# Altium PCB XTIDA-010086.PcbDoc (part 9 of 17)
Units mm, origin at the board's own origin, x right, y up, seen from the top; angles counter-clockwise.
Board outline 375 x 210 mm, 6 copper layers (Top Layer, GND Layer, Signal Layer 1, Signal Layer 2, Power Layer, Bottom Layer), stack 1.575 mm thick; 1884 components, 1036 nets, 4948 pads, 6791 vias.
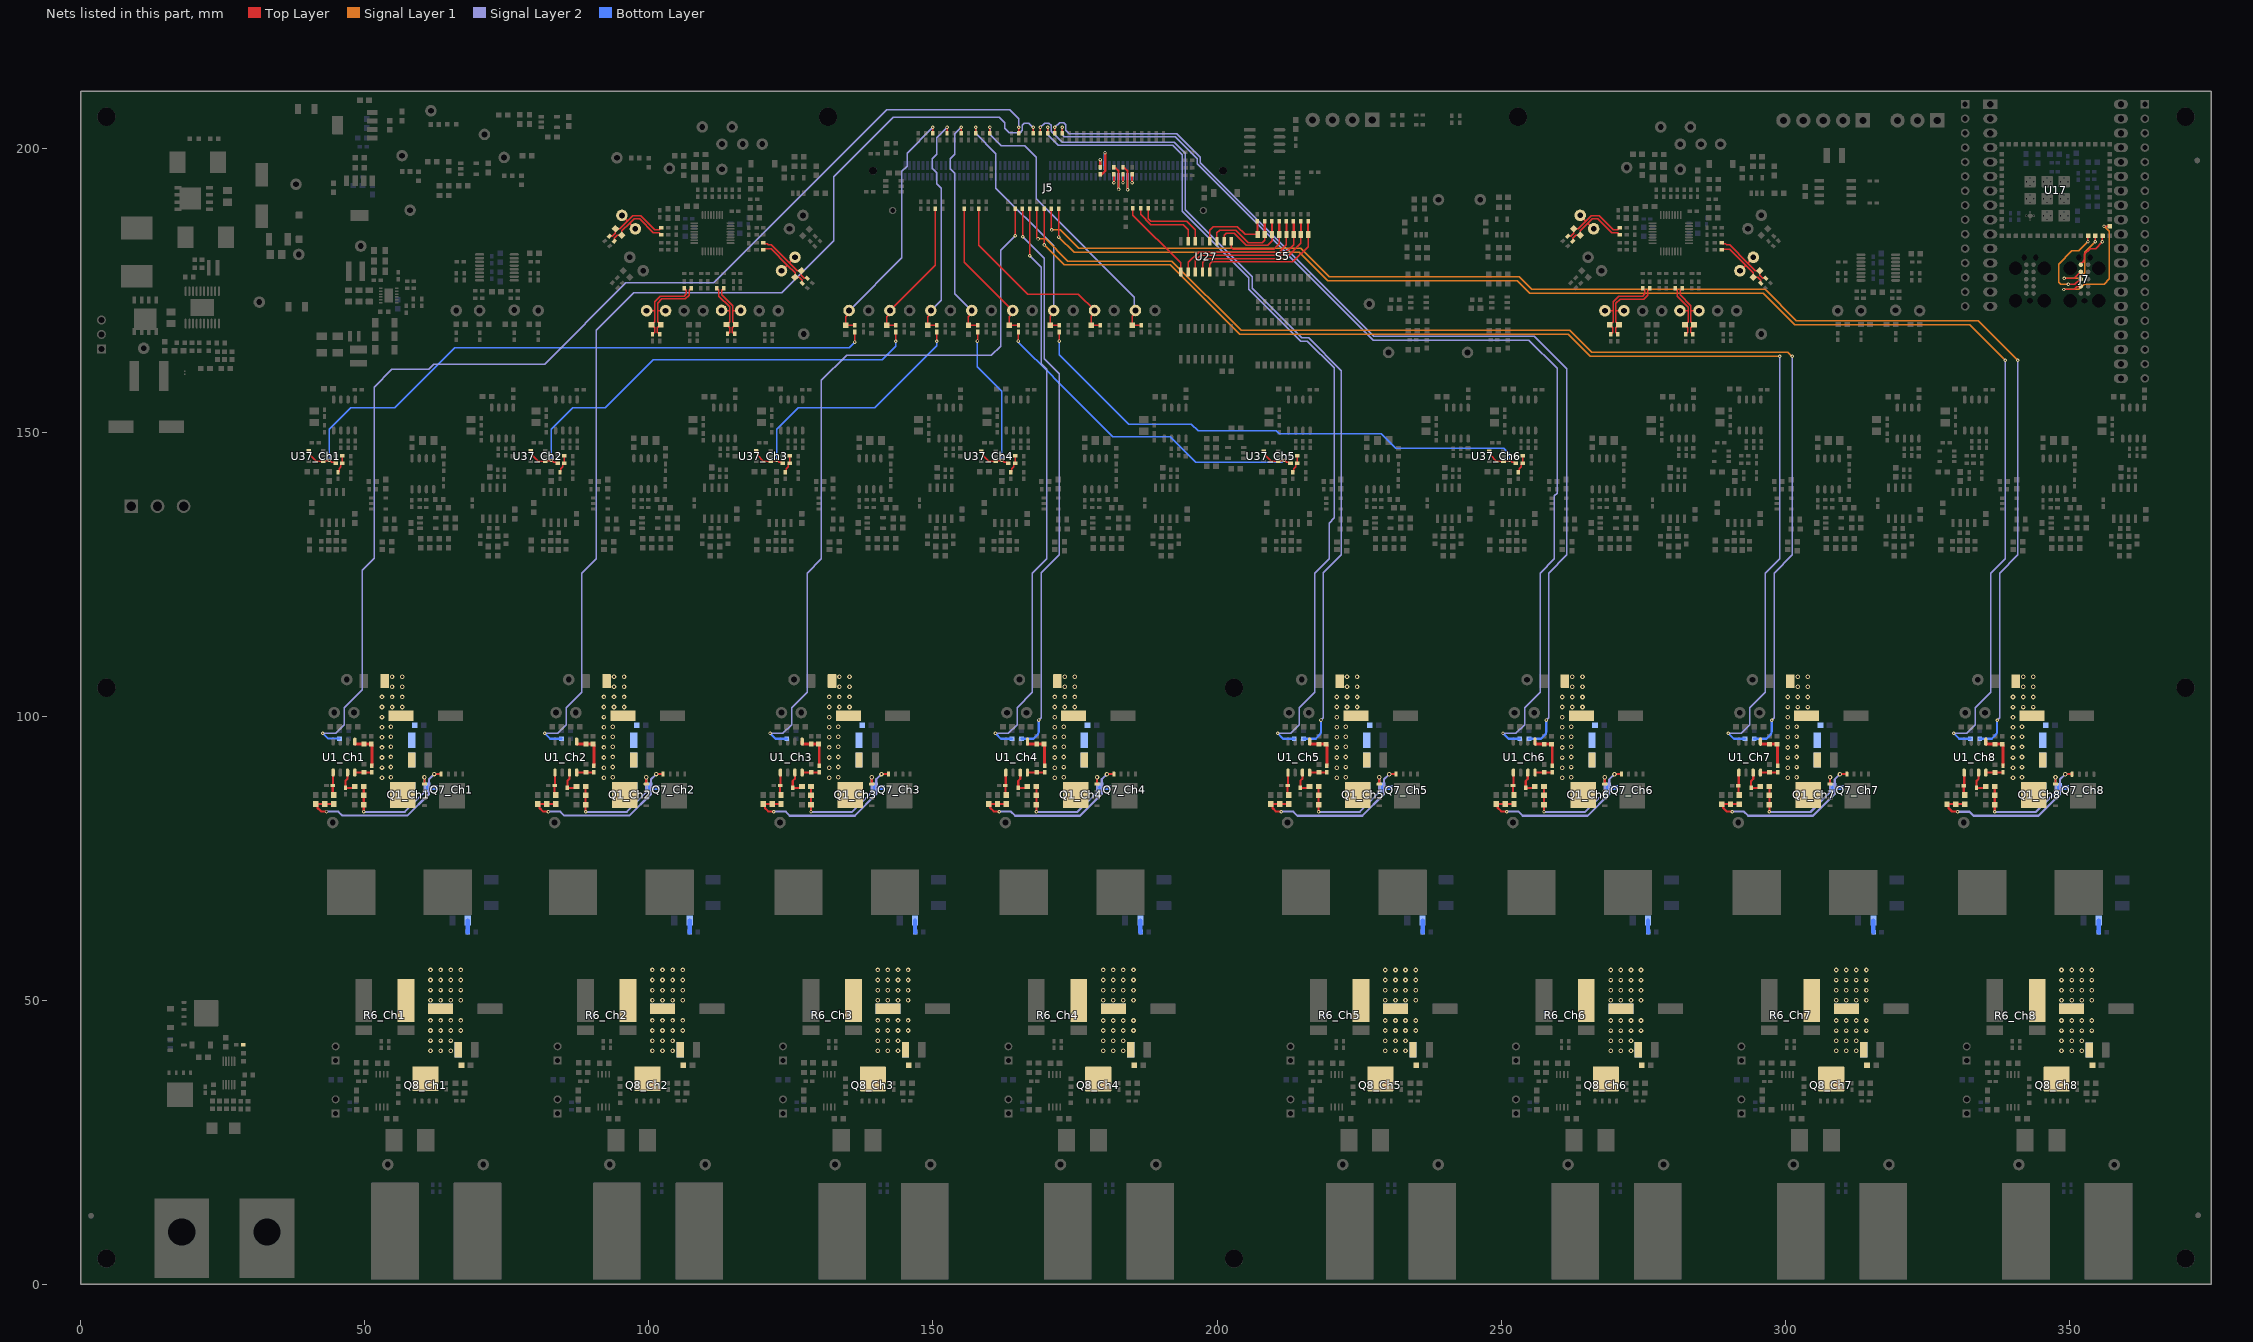
[diagram p13: the nets of this part, all layers, seen from the top]

## Via types
v1: diameter 0.813, hole 0.4, Top Layer to Bottom Layer, tented both sides, 4738 vias
v2: diameter 0.61, hole 0.3, Top Layer to Bottom Layer, tented both sides, 1254 vias
v3: diameter 0.813, hole 0.406, Top Layer to Bottom Layer, 728 vias
v4: diameter 0.5, hole 0.2, Top Layer to Bottom Layer, 40 vias
v5: diameter 5.45, hole 3.556, Top Layer to Bottom Layer, 16 vias
v6: diameter 5/3.65/3.65/3.65/3.65/5 (per signal layer), hole 3.2, Top Layer to Bottom Layer, 12 vias
v7: diameter 0.813, hole 0.4, Top Layer to Bottom Layer, 3 vias

## Nets (pads, with @x,y where several pads share a name; then routed paths per layer and width w, separated by ;. In a path a pad name is that pad's centre, name@x,y a point inside that pad or via, vN(x,y) a via of type N, cw(c..) or ccw(c..) an arc to the next point about the centre after c; other vN are vias at no path point) (continued)
EPWM_A4: R2_Ch4.2 R266.1 | length 100
  Top Layer w0.254: R266.1@165.73,189.322 165.795,189.257 v2(165.795,184.369)
  Signal Layer 2 w0.254: v2(165.795,184.369) 169.596,180.569 169.596,162.916 172.237,160.274 172.237,128.366 169.062,125.191 169.062,99.74 v2(168.621,99.298)
  Bottom Layer w0.381: R2_Ch4.2@165.56,96.02 167.694,96.02 168.341,96.667 ccw(c167.668,97.341) 168.621,97.341 v2(168.621,99.298)
EPWM_A5: R2_Ch5.2 R269.1 | length 148.7
  Top Layer w0.254: R269.1@168.915,202.606 168.918,202.609 v2(168.918,203.635)
  Signal Layer 2 w0.254: v2(168.918,203.635) 169.676,204.394 170.409,204.394 170.836,203.966 170.836,202.985 172.781,201.041 192.433,201.041 194.412,199.063 194.412,189.13 206.172,177.37 206.172,175.339 214.938,166.573 216.157,166.573 221.912,160.818 221.912,157.853 221.912,128.364 218.737,125.189 218.737,99.738 v2(218.295,99.296)
  Bottom Layer w0.381: R2_Ch5.2@215.235,96.018 217.369,96.018 218.016,96.665 ccw(c217.343,97.339) 218.295,97.339 v2(218.295,99.296)
EPWM_A6: R2_Ch6.2 R273.1 | length 179.6
  Top Layer w0.254: R273.1@171.463,202.606 v2(171.463,203.633)
  Signal Layer 2 w0.254: v2(171.463,203.633) 172.275,204.445 172.983,204.445 173.355,204.073 173.355,203.124 173.99,202.489 192.907,202.489 197.028,198.368 197.028,197.418 227.576,166.87 255.862,166.87 261.587,161.145 261.587,128.362 258.412,125.187 258.412,99.736 v2(257.97,99.294)
  Bottom Layer w0.381: R2_Ch6.2@254.91,96.016 257.044,96.016 257.691,96.663 ccw(c257.018,97.337) 257.97,97.337 v2(257.97,99.294)
EPWM_A7: R2_Ch7.2 R293.2 | length 218
  Top Layer w0.254: R293.2@168.282,189.322 168.282,184.315 168.504,184.094 v2(168.504,183.998)
  Signal Layer 1 w0.254: v2(168.504,183.998) 169.824,183.998 173.75,180.072 192.063,180.072 204.247,167.888 262.083,167.888 265.956,164.015 300.509,164.015 301.176,163.347 v2(301.262,163.347)
  Signal Layer 2 w0.254: v2(297.645,99.292) 298.087,99.734 298.087,125.185 301.262,128.36 v2(301.262,163.347)
  Bottom Layer w0.381: R2_Ch7.2@294.584,96.014 296.719,96.014 297.366,96.661 ccw(c296.693,97.335) 297.645,97.335 v2(297.645,99.292)
EPWM_A8: R2_Ch8.2 R295.2 | length 253.9
  Top Layer w0.254: R295.2@170.835,189.322 170.835,185.629 v2(170.891,185.572)
  Signal Layer 1 w0.254: v2(170.891,185.572) 172.43,185.572 175.656,182.347 214.747,182.347 219.776,177.317 253.177,177.317 255.387,175.108 296.484,175.108 301.97,169.621 333.977,169.621 v2(340.937,162.662)
  Signal Layer 2 w0.254: v2(337.32,99.29) 337.762,99.732 337.762,125.183 340.937,128.358 v2(340.937,162.662)
  Bottom Layer w0.381: R2_Ch8.2@334.259,96.012 336.393,96.012 337.04,96.659 ccw(c336.367,97.333) 337.32,97.333 v2(337.32,99.29)
EPWM_B1: R3_Ch1.2 R263.1 | length 206.2
  Top Layer w0.254: R263.1@165.093,202.606 v2(165.093,203.633)
  Signal Layer 2 w0.254: v2(42.577,96.986) 44.859,96.986 46.38,98.507 46.38,101.498 49.538,104.656 49.538,125.656 51.638,127.757 51.638,157.912 54.762,161.036 61.239,161.036 62.154,161.95 81.627,161.95 95.927,176.251 111.421,176.251 141.901,206.731 163.474,206.731 165.093,205.112 v2(165.093,203.633)
  Bottom Layer w0.381: v2(42.577,96.986) 43.537,96.026 R3_Ch1.2@45.52,96.026
EPWM_B2: R3_Ch2.2 R267.1 | length 182.6
  Top Layer w0.254: R267.1@167.641,202.606 v2(167.641,203.633)
  Signal Layer 2 w0.254: v2(81.643,96.984) 83.924,96.984 85.446,98.505 85.446,101.496 88.163,104.214 88.163,125.171 90.703,127.711 90.703,159.547 90.703,167.898 97.285,174.48 123.345,174.48 132.53,183.664 132.53,194.967 142.998,205.435 161.659,205.435 162.65,204.445 162.65,203.516 163.449,202.717 165.356,202.717 165.728,203.089 165.728,203.965 166.1,204.337 166.888,204.337 167.592,203.633 v2(167.641,203.633)
  Bottom Layer w0.381: v2(81.643,96.984) 82.603,96.024 R3_Ch2.2@84.585,96.024
EPWM_B3: R3_Ch3.2 R264.1 | length 129.8
  Top Layer w0.254: R264.1@164.454,189.322 164.454,184.564 v2(164.474,184.544)
  Signal Layer 2 w0.254: v2(121.317,96.982) 123.599,96.982 125.12,98.503 125.12,101.494 127.838,104.212 127.838,125.169 130.378,127.709 130.378,159.08 134.78,163.482 160.282,163.482 161.893,165.094 161.893,181.963 v2(164.474,184.544)
  Bottom Layer w0.381: v2(121.317,96.982) 122.277,96.022 R3_Ch3.2@124.26,96.022
EPWM_B4: R3_Ch4.2 R268.1 | length 102
  Top Layer w0.254: R268.1@167.006,189.322 167.006,181.075 v2(167.03,181.051)
  Signal Layer 2 w0.254: v2(160.992,96.98) 163.274,96.98 164.795,98.501 164.795,101.492 167.513,104.21 167.513,125.167 170.053,127.707 170.053,161.061 169.074,162.04 169.074,179.008 v2(167.03,181.051)
  Bottom Layer w0.381: v2(160.992,96.98) 161.952,96.02 R3_Ch4.2@163.934,96.02
EPWM_B5: R3_Ch5.2 R271.1 | length 149.9
  Top Layer w0.254: R271.1@170.189,202.606 v2(170.189,203.633)
  Signal Layer 2 w0.254: v2(170.189,203.633) 170.189,202.364 172.071,200.482 192.202,200.482 193.853,198.831 193.853,188.899 205.613,177.138 205.613,175.108 214.706,166.014 215.925,166.014 220.64,161.3 220.64,134.889 219.728,133.977 219.728,127.705 217.188,125.165 217.188,104.208 214.47,101.49 214.47,98.499 212.949,96.978 v2(210.667,96.978)
  Bottom Layer w0.381: v2(210.667,96.978) 211.627,96.018 R3_Ch5.2@213.609,96.018
EPWM_B6: R3_Ch6.2 R275.1 | length 179.9
  Top Layer w0.254: R275.1@172.737,202.606 v2(172.737,203.633)
  Signal Layer 2 w0.254: v2(172.737,203.633) 172.737,202.359 173.14,201.955 192.686,201.955 196.494,198.147 196.494,197.197 227.525,166.167 254.914,166.167 259.893,161.188 259.893,139.243 259.403,138.753 259.403,127.703 256.863,125.163 256.863,104.206 254.145,101.488 254.145,98.497 252.624,96.976 v2(250.342,96.976)
  Bottom Layer w0.381: v2(250.342,96.976) 251.302,96.016 R3_Ch6.2@253.284,96.016
EPWM_B7: R3_Ch7.2 R294.2 | length 218.8
  Top Layer w0.254: R294.2@169.559,189.322 169.559,182.968 v2(169.596,182.931)
  Signal Layer 1 w0.254: v2(169.596,182.931) 173.101,179.426 191.795,179.426 203.979,167.242 261.816,167.242 265.71,163.347 v2(299.077,163.347)
  Signal Layer 2 w0.254: v2(290.017,96.974) 292.298,96.974 293.82,98.495 293.82,101.486 296.537,104.204 296.537,125.161 299.077,127.701 v2(299.077,163.347)
  Bottom Layer w0.381: v2(290.017,96.974) 290.977,96.014 R3_Ch7.2@292.959,96.014
EPWM_B8: R3_Ch8.2 R274.1 | length 254.7
  Top Layer w0.254: R274.1@172.111,189.322 172.111,184.353 v2(172.144,184.32)
  Signal Layer 1 w0.254: v2(172.144,184.32) 174.828,181.635 214.452,181.635 219.481,176.606 252.882,176.606 255.092,174.396 296.189,174.396 301.676,168.91 332.504,168.91 v2(338.752,162.662)
  Signal Layer 2 w0.254: v2(329.691,96.972) 331.973,96.972 333.494,98.493 333.494,101.484 336.212,104.202 336.212,125.159 338.752,127.699 v2(338.752,162.662)
  Bottom Layer w0.381: v2(329.691,96.972) 330.651,96.012 R3_Ch8.2@332.634,96.012
FAULT: R86.2
FLASH.SPI_CLK: J7.6 U17.15 | length 7.2
  Top Layer w0.254: J7.6@352.068,179.461 352.068,179.608 352.449,179.989 352.449,180.086 352.703,180.34 352.703,181.312 353.687,182.296 354.642,182.296 v2(355.858,183.512) U17.15@355.858,184.502
FLASH.SPI_CS: J7.7 U17.14 | length 14.7
  Top Layer w0.254: v2(349.123,177.034) 350.912,177.034 J7.7@352.068,178.191 ; v2(354.588,183.512) U17.14@354.588,184.502
  Signal Layer 1 w0.254: v2(349.123,177.034) 351.688,177.034 352.73,178.076 352.73,181.654 v2(354.588,183.512)
FLASH.SPI_MISO: J7.8 U17.13 | length 15.4
  Top Layer w0.254: v2(349.877,176.016) 351.016,176.016 351.92,176.921 J7.8@352.068,176.921 ; v2(353.318,183.512) U17.13@353.318,184.502
  Signal Layer 1 w0.254: v2(349.877,176.016) 348.53,176.016 348.158,176.388 348.158,179.553 350.495,181.889 351.695,181.889 v2(353.318,183.512)
FLASH.SPI_MOSI: J7.9 U17.17 | length 22.7
  Top Layer w0.254: v2(349.035,175.094) 350.877,175.094 351.329,175.546 351.964,175.546 J7.9@352.068,175.651 ; v2(356.137,186.242) U17.17@357.127,186.242
  Signal Layer 1 w0.254: v2(349.035,175.094) 351.731,175.094 352.654,176.016 356.137,176.016 357.073,176.952 357.073,185.306 v2(356.137,186.242)
GPIO.26: J5.42 R26.1 | length 2.4
  Top Layer w0.381: R26.1@179.45,196.586 v2(179.45,197.959)
  Bottom Layer w0.381: J5.42@179.45,196.925 v2(179.45,197.959)
GPIO.27: J5.40 R26.2 | length 6.6
  Top Layer w0.381: R26.2@179.45,195.386 179.755,195.386 180.313,195.944 180.313,199.128 v2(180.281,199.16)
  Bottom Layer w0.381: J5.40@180.25,196.925 180.25,198.919 cw(c181.203,198.919) v2(180.281,199.16)
GPIO.34: J5.35 R48.2 | length 2.5
  Top Layer w0.381: v2(181.85,193.891) R48.2@181.85,195.386
  Bottom Layer w0.381: v2(181.85,193.891) J5.35@181.85,194.925
GPIO.39: J5.33 R48.1 | length 6.5
  Top Layer w0.381: R48.1@181.85,196.586 181.901,196.535 182.11,196.535 182.668,195.977 v2(182.668,192.712)
  Bottom Layer w0.381: v2@182.65,192.729 J5.33@182.65,194.925
GPIO.44: J5.31 R50.2 | length 2.5
  Top Layer w0.381: v2(183.45,193.891) R50.2@183.45,195.386
  Bottom Layer w0.381: v2(183.45,193.891) J5.31@183.45,194.925
GPIO.45: J5.29 R50.1 | length 6.6
  Top Layer w0.381: R50.1@183.45,196.586 183.501,196.535 183.692,196.535 184.25,195.977 v2(184.25,192.659)
  Bottom Layer w0.381: v2(184.25,192.659) J5.29@184.25,194.925
GPIO.46: J5.27 R58.2 | length 2.5
  Top Layer w0.381: v2(185.05,193.891) R58.2@185.05,195.386
  Bottom Layer w0.381: v2(185.05,193.891) J5.27@185.05,194.925
H-Drive_Ch1: D3_Ch1.1 R11_Ch1.2 U1_Ch1.7 | length 4.5
  Top Layer w0.381: U1_Ch1.7@46.949,90.063 46.949,88.96 46.586,88.598 D3_Ch1.1@46.586,87.37 47.951,87.37 R11_Ch1.2@48.193,87.612
H-Drive_Ch2: D3_Ch2.1 R11_Ch2.2 U1_Ch2.7 | length 4.5
  Top Layer w0.381: U1_Ch2.7@86.014,90.061 86.014,88.958 85.652,88.596 D3_Ch2.1@85.652,87.368 87.017,87.368 R11_Ch2.2@87.258,87.61
H-Drive_Ch3: D3_Ch3.1 R11_Ch3.2 U1_Ch3.7 | length 4.5
  Top Layer w0.381: U1_Ch3.7@125.689,90.059 125.689,88.956 125.326,88.594 D3_Ch3.1@125.326,87.366 126.691,87.366 R11_Ch3.2@126.933,87.608
H-Drive_Ch4: D3_Ch4.1 R11_Ch4.2 U1_Ch4.7 | length 4.5
  Top Layer w0.381: U1_Ch4.7@165.363,90.057 165.363,88.954 165.001,88.592 D3_Ch4.1@165.001,87.364 166.366,87.364 R11_Ch4.2@166.608,87.606
H-Drive_Ch5: D3_Ch5.1 R11_Ch5.2 U1_Ch5.7 | length 4.5
  Top Layer w0.381: U1_Ch5.7@215.038,90.055 215.038,88.952 214.676,88.59 D3_Ch5.1@214.676,87.362 216.041,87.362 R11_Ch5.2@216.283,87.604
H-Drive_Ch6: D3_Ch6.1 R11_Ch6.2 U1_Ch6.7 | length 4.5
  Top Layer w0.381: U1_Ch6.7@254.713,90.053 254.713,88.95 254.351,88.588 D3_Ch6.1@254.351,87.36 255.716,87.36 R11_Ch6.2@255.958,87.602
H-Drive_Ch7: D3_Ch7.1 R11_Ch7.2 U1_Ch7.7 | length 4.5
  Top Layer w0.381: U1_Ch7.7@294.388,90.051 294.388,88.948 294.026,88.586 D3_Ch7.1@294.026,87.358 295.391,87.358 R11_Ch7.2@295.632,87.6
H-Drive_Ch8: D3_Ch8.1 R11_Ch8.2 U1_Ch8.7 | length 4.5
  Top Layer w0.381: U1_Ch8.7@334.063,90.049 334.063,88.946 333.7,88.584 D3_Ch8.1@333.7,87.356 335.065,87.356 R11_Ch8.2@335.307,87.598
HDrive_Ch1: Q1_Ch1.4 R11_Ch1.1 R18_Ch1.2 R19_Ch1.2 | length 20.4
  Top Layer w0.381: v2(49.793,83.188) R18_Ch1.2@49.793,84.406 R19_Ch1.2@49.793,86.066 R11_Ch1.1@49.793,87.612 ; Q1_Ch1.4@60.477,88.036 v1(60.477,89.254)
  Signal Layer 2 w0.381: v2(49.793,83.188) 49.837,83.144 57.033,83.144 60.477,86.589 v1(60.477,89.254)
HDrive_Ch2: Q1_Ch2.4 R11_Ch2.1 R18_Ch2.2 R19_Ch2.2 | length 20.4
  Top Layer w0.381: v2(88.858,83.186) R18_Ch2.2@88.858,84.404 R19_Ch2.2@88.858,86.064 R11_Ch2.1@88.858,87.61 ; Q1_Ch2.4@99.543,88.034 v1(99.543,89.252)
  Signal Layer 2 w0.381: v2(88.858,83.186) 88.902,83.142 96.098,83.142 99.543,86.587 v1(99.543,89.252)
HDrive_Ch3: Q1_Ch3.4 R11_Ch3.1 R18_Ch3.2 R19_Ch3.2 | length 20.4
  Top Layer w0.381: v2(128.533,83.184) R18_Ch3.2@128.533,84.402 R19_Ch3.2@128.533,86.062 R11_Ch3.1@128.533,87.608 ; Q1_Ch3.4@139.217,88.032 v1(139.217,89.25)
  Signal Layer 2 w0.381: v2(128.533,83.184) 128.577,83.14 135.773,83.14 139.217,86.585 v1(139.217,89.25)
HDrive_Ch4: Q1_Ch4.4 R11_Ch4.1 R18_Ch4.2 R19_Ch4.2 | length 20.4
  Top Layer w0.381: v2(168.208,83.182) R18_Ch4.2@168.208,84.4 R19_Ch4.2@168.208,86.06 R11_Ch4.1@168.208,87.606 ; Q1_Ch4.4@178.892,88.03 v1(178.892,89.248)
  Signal Layer 2 w0.381: v2(168.208,83.182) 168.252,83.138 175.448,83.138 178.892,86.583 v1(178.892,89.248)
HDrive_Ch5: Q1_Ch5.4 R11_Ch5.1 R18_Ch5.2 R19_Ch5.2 | length 20.4
  Top Layer w0.381: v2(217.883,83.18) R18_Ch5.2@217.883,84.398 R19_Ch5.2@217.883,86.058 R11_Ch5.1@217.883,87.604 ; Q1_Ch5.4@228.567,88.028 v1(228.567,89.246)
  Signal Layer 2 w0.381: v2(217.883,83.18) 217.927,83.136 225.123,83.136 228.567,86.581 v1(228.567,89.246)
HDrive_Ch6: Q1_Ch6.4 R11_Ch6.1 R18_Ch6.2 R19_Ch6.2 | length 20.4
  Top Layer w0.381: v2(257.558,83.178) R18_Ch6.2@257.558,84.396 R19_Ch6.2@257.558,86.056 R11_Ch6.1@257.558,87.602 ; Q1_Ch6.4@268.242,88.026 v1(268.242,89.244)
  Signal Layer 2 w0.381: v2(257.558,83.178) 257.601,83.134 264.797,83.134 268.242,86.579 v1(268.242,89.244)
HDrive_Ch7: Q1_Ch7.4 R11_Ch7.1 R18_Ch7.2 R19_Ch7.2 | length 20.4
  Top Layer w0.381: v2(297.232,83.176) R18_Ch7.2@297.232,84.394 R19_Ch7.2@297.232,86.054 R11_Ch7.1@297.232,87.6 ; Q1_Ch7.4@307.917,88.024 v1(307.917,89.242)
  Signal Layer 2 w0.381: v2(297.232,83.176) 297.276,83.132 304.472,83.132 307.917,86.577 v1(307.917,89.242)
HDrive_Ch8: Q1_Ch8.4 R11_Ch8.1 R18_Ch8.2 R19_Ch8.2 | length 20.4
  Top Layer w0.381: v2(336.907,83.174) R18_Ch8.2@336.907,84.392 R19_Ch8.2@336.907,86.052 R11_Ch8.1@336.907,87.598 ; Q1_Ch8.4@347.591,88.022 v1(347.591,89.24)
  Signal Layer 2 w0.381: v2(336.907,83.174) 336.951,83.13 344.147,83.13 347.591,86.575 v1(347.591,89.24)
IoutN1: C28_Ch1.2 R40_Ch1.1 R91.1 TP8_Ch1.1 | length 13.3
  Top Layer w0.254: R40_Ch1.1@93.928,183.597 93.928,184.118 94.447,184.636 C28_Ch1.2@95.237,184.636 ; C28_Ch1.2@95.227,184.646 95.227,185.418 96.594,186.786 ; TP8_Ch1.1@97.6,185.781 96.594,186.786 ; R91.1@102.197,184.757 101.839,185.115 100.801,185.115 98.343,187.573 97.381,187.573 96.594,186.786
IoutN2: C28_Ch2.2 R40_Ch2.1 R96.1 TP8_Ch2.1 | length 15
  Top Layer w0.254: R40_Ch2.1@101.873,167.225 101.505,167.594 101.505,168.327 C28_Ch2.2@102.063,168.886 101.517,169.432 101.517,171.366 ; TP8_Ch2.1@102.94,171.366 101.517,171.366 ; R96.1@107.456,175.305 107.101,174.949 107.101,174.113 106.411,173.424 102.245,173.424 101.517,172.696 101.517,171.366
IoutN3: C28_Ch3.2 R40_Ch3.1 R103.1 TP8_Ch3.1 | length 11
  Top Layer w0.254: R103.1@113.176,175.305 112.818,174.947 112.818,174.133 114.722,172.229 114.722,169.432 115.268,168.886 114.709,168.327 114.709,167.594 R40_Ch3.1@115.078,167.225 ; 114.747,171.366 TP8_Ch3.1@116.144,171.366
IoutN4: C28_Ch4.2 R40_Ch4.1 R113.1 TP8_Ch4.1 | length 12.2
  Top Layer w0.254: R113.1@120.137,183.295 120.31,183.122 120.805,183.122 120.99,182.937 121.533,182.937 124.705,179.764 ; TP8_Ch4.1@125.711,180.77 124.705,179.764 ; R40_Ch4.1@127.885,177.088 127.364,177.088 126.845,177.607 C28_Ch4.2@126.845,178.397 126.073,178.397 124.705,179.764
IoutN5: C28_Ch5.2 R40_Ch5.1 R122.1 TP8_Ch5.1 | length 13.3
  Top Layer w0.254: R40_Ch5.1@262.627,183.589 262.627,184.11 263.146,184.628 C28_Ch5.2@263.936,184.628 ; C28_Ch5.2@263.926,184.638 263.926,185.41 265.294,186.778 ; TP8_Ch5.1@266.299,185.773 265.294,186.778 ; R122.1@270.896,184.749 270.538,185.107 269.5,185.107 267.042,187.565 266.08,187.565 265.294,186.778
IoutN6: C28_Ch6.2 R40_Ch6.1 R127.1 TP8_Ch6.1 | length 15
  Top Layer w0.254: R40_Ch6.1@270.572,167.217 270.204,167.586 270.204,168.319 270.763,168.878 270.217,169.424 270.217,171.358 ; TP8_Ch6.1@271.639,171.358 270.217,171.358 ; R127.1@276.155,175.297 275.8,174.941 275.8,174.105 275.11,173.416 270.944,173.416 270.217,172.688 270.217,171.358
IoutN7: C28_Ch7.2 R40_Ch7.1 R134.1 TP8_Ch7.1 | length 11
  Top Layer w0.254: R134.1@281.875,175.297 281.517,174.939 281.517,174.125 283.421,172.221 283.421,169.424 C28_Ch7.2@283.967,168.878 283.408,168.319 283.408,167.586 R40_Ch7.1@283.777,167.217 ; 283.447,171.358 TP8_Ch7.1@284.844,171.358
IoutN8: C28_Ch8.2 R40_Ch8.1 R144.1 TP8_Ch8.1 | length 12.2
  Top Layer w0.254: R144.1@288.836,183.287 289.009,183.114 289.504,183.114 289.689,182.929 290.232,182.929 293.404,179.756 ; TP8_Ch8.1@294.41,180.762 293.404,179.756 ; R40_Ch8.1@296.584,177.08 296.063,177.08 295.544,177.599 C28_Ch8.2@295.544,178.389 294.772,178.389 293.404,179.756
IoutP1: C28_Ch1.1 R36_Ch1.2 R90.1 TP7_Ch1.1 | length 13.7
  Top Layer w0.254: R36_Ch1.2@93.048,184.477 93.569,184.477 94.105,185.013 C28_Ch1.1@94.105,185.768 ; C28_Ch1.1@94.095,185.778 94.867,185.778 96.226,187.136 ; TP7_Ch1.1@95.229,188.151 TP7_Ch1.1@95.239,188.141 96.226,187.155 96.226,187.136 ; R90.1@102.197,185.981 101.839,185.623 101.011,185.623 98.553,188.081 97.171,188.081 96.226,187.136
IoutP2: C28_Ch2.1 R36_Ch2.2 R94.1 TP7_Ch2.1 | length 15
  Top Layer w0.254: TP7_Ch2.1@99.587,171.366 100.984,171.366 ; R36_Ch2.2@100.628,167.225 100.997,167.594 100.997,168.352 C28_Ch2.1@100.463,168.886 101.009,169.432 101.009,172.907 102.034,173.932 106.2,173.932 106.593,174.324 106.593,174.949 R94.1@106.237,175.305
IoutP3: C28_Ch3.1 R36_Ch3.2 R101.1 TP7_Ch3.1 | length 11
  Top Layer w0.254: R101.1@111.952,175.305 112.31,174.947 112.31,173.923 114.214,172.018 114.214,171.366 ; TP7_Ch3.1@112.792,171.366 114.214,171.366 ; R36_Ch3.2@113.833,167.225 114.201,167.594 114.201,168.352 113.668,168.886 114.214,169.432 114.214,171.366
IoutP4: C28_Ch4.1 R36_Ch4.2 R111.1 TP7_Ch4.1 | length 11.6
  Top Layer w0.254: R111.1@120.137,182.071 120.301,182.235 121.516,182.235 124.355,179.396 ; TP7_Ch4.1@123.34,178.399 124.336,179.396 124.355,179.396 ; R36_Ch4.2@127.005,176.208 127.005,176.729 126.468,177.265 C28_Ch4.1@125.714,177.265 125.714,178.037 124.355,179.396
IoutP5: C28_Ch5.1 R36_Ch5.2 R121.1 TP7_Ch5.1 | length 13.7
  Top Layer w0.254: R36_Ch5.2@261.747,184.469 262.268,184.469 262.804,185.005 C28_Ch5.1@262.804,185.76 ; C28_Ch5.1@262.794,185.77 263.567,185.77 264.925,187.128 ; TP7_Ch5.1@263.929,188.143 264.925,187.147 264.925,187.128 ; R121.1@270.896,185.973 270.538,185.615 269.711,185.615 267.252,188.073 265.87,188.073 264.925,187.128
IoutP6: C28_Ch6.1 R36_Ch6.2 R125.1 TP7_Ch6.1 | length 15
  Top Layer w0.254: TP7_Ch6.1@268.286,171.358 269.683,171.358 ; R36_Ch6.2@269.328,167.217 269.696,167.586 269.696,168.345 269.29,168.751 269.163,168.878 269.709,169.424 269.709,172.899 270.733,173.924 274.9,173.924 275.292,174.316 275.292,174.941 R125.1@274.936,175.297
IoutP7: C28_Ch7.1 R36_Ch7.2 R132.1 TP7_Ch7.1 | length 11
  Top Layer w0.254: R132.1@280.651,175.297 281.009,174.939 281.009,173.915 282.913,172.011 282.913,171.358 ; TP7_Ch7.1@281.491,171.358 282.913,171.358 ; R36_Ch7.2@282.532,167.217 282.9,167.586 282.9,168.345 282.494,168.751 C28_Ch7.1@282.367,168.878 282.913,169.424 282.913,171.358
IoutP8: C28_Ch8.1 R36_Ch8.2 R142.1 TP7_Ch8.1 | length 11.6
  Top Layer w0.254: R142.1@288.836,182.063 288.981,182.208 290.215,182.208 293.036,179.388 ; TP7_Ch8.1@292.039,178.391 293.036,179.388 ; R36_Ch8.2@295.704,176.2 295.704,176.721 295.167,177.257 C28_Ch8.1@294.413,177.257 294.413,178.029 293.055,179.388 293.036,179.388
IoutS1: C17_Ch1.1 R31_Ch1.2 R249.1 TP43_Ch1.1 | length 43.8
  Top Layer w0.254: TP43_Ch1.1@135.23,171.394 135.23,170.913 134.645,170.329 C17_Ch1.1@134.645,168.811 R31_Ch1.2@136.246,168.811 ; R249.1@149.957,202.606 v2(149.957,203.633)
  Signal Layer 2 w0.254: TP43_Ch1.1@135.23,171.394 144.526,180.69 144.526,195.912 145.444,196.83 145.444,199.12 v2(149.957,203.633)
IoutS2: C17_Ch2.1 R31_Ch2.2 R251.1 TP43_Ch2.1 | length 25.7
  Top Layer w0.254: R31_Ch2.2@143.447,168.811 C17_Ch2.1@141.847,168.811 141.847,170.329 142.431,170.913 TP43_Ch2.1@142.431,171.394 150.416,179.379 R251.1@150.416,189.322
IoutS3: C17_Ch3.1 R31_Ch3.2 R43.1 TP43_Ch3.1 | length 40.2
  Top Layer w0.254: TP43_Ch3.1@149.633,171.394 149.633,170.913 149.049,170.329 C17_Ch3.1@149.049,168.811 R31_Ch3.2@150.649,168.811 ; R43.1@152.478,202.606 v2(152.478,203.633)
  Signal Layer 2 w0.254: TP43_Ch3.1@149.633,171.394 151.45,173.211 151.45,192.872 150.65,193.672 150.65,195.622 149.85,196.422 149.85,198.134 150.65,198.934 150.65,201.805 v2(152.478,203.633)
IoutS4: C17_Ch4.1 R31_Ch4.2 R49.1 TP43_Ch4.1 | length 40.1
  Top Layer w0.254: R49.1@154.998,202.606 v2(154.998,203.633) ; TP43_Ch4.1@156.835,171.394 156.835,170.913 156.25,170.329 C17_Ch4.1@156.25,168.811 R31_Ch4.2@157.851,168.811
  Signal Layer 2 w0.254: v2(154.998,203.633) 153.85,202.485 153.85,198.945 153.05,198.145 153.05,196.342 153.85,195.542 153.85,174.379 TP43_Ch4.1@156.835,171.394